# Altium PCB Inverter_540VDC_V2.1.PcbDoc (part 2 of 2)
Units mm, origin at the board's own origin, x right, y up, seen from the top; angles counter-clockwise.
Board outline 120 x 74.98 mm, 2 copper layers (Top Layer, Bottom Layer), stack 2.071 mm thick; 237 components, 120 nets, 558 pads, 101 vias.
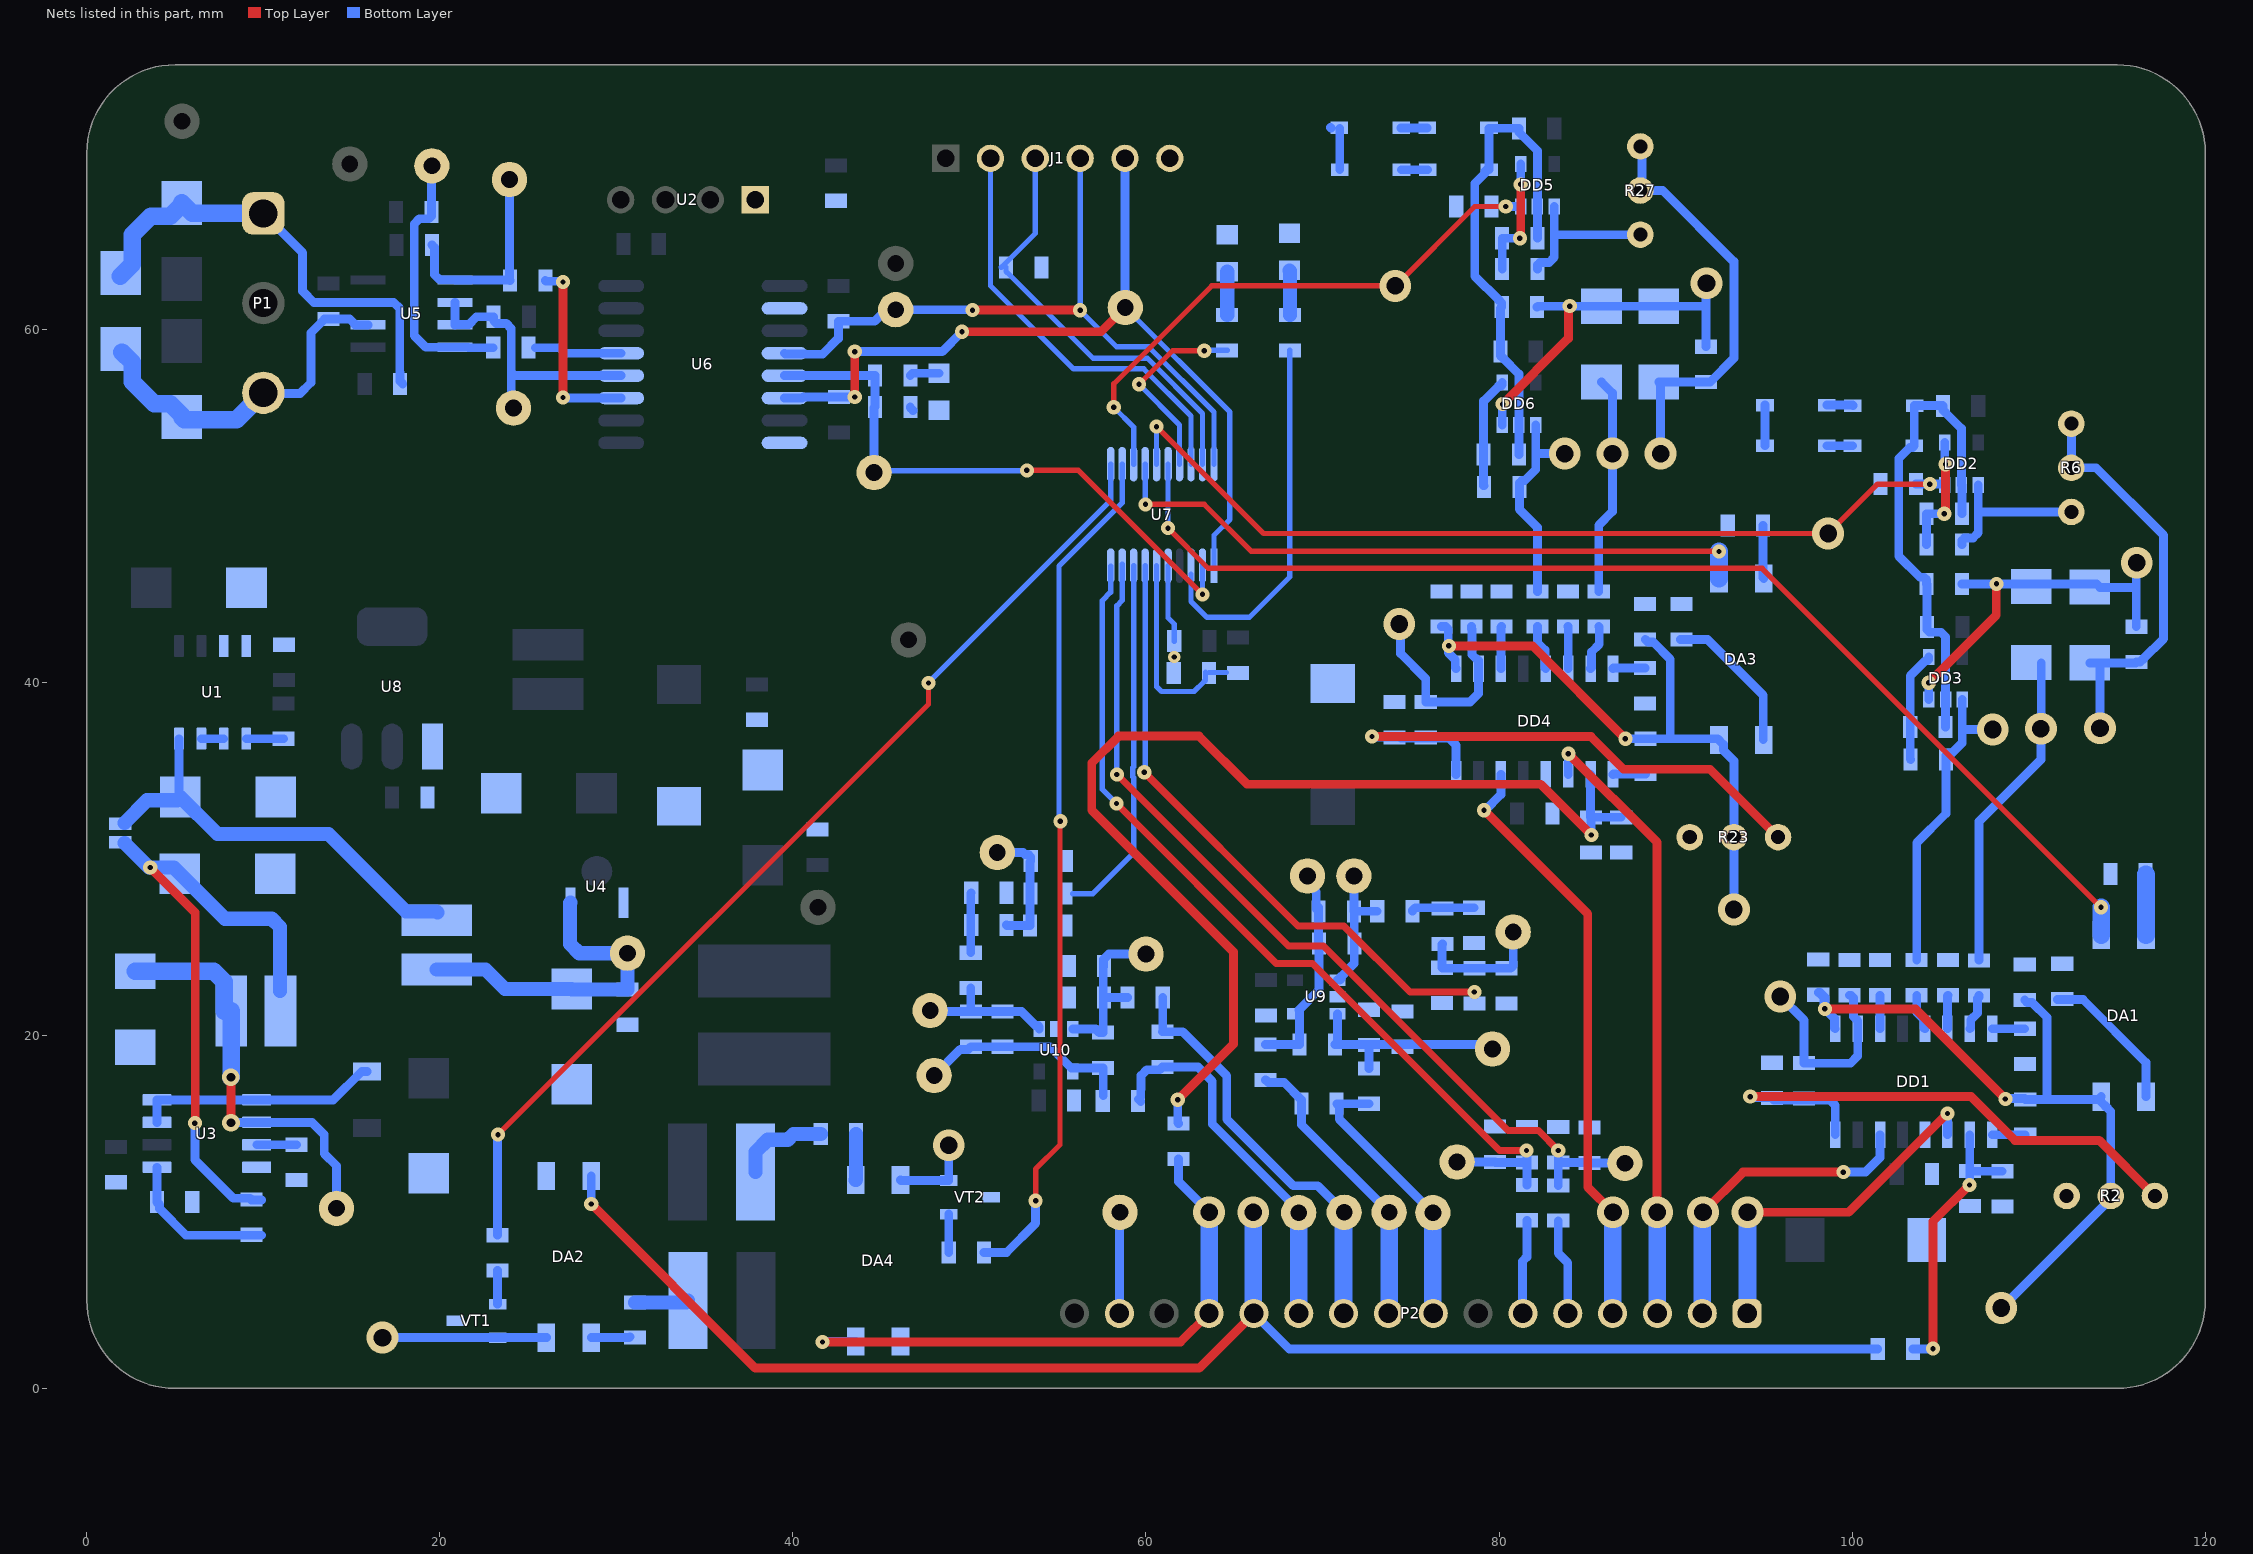
[diagram p2: the nets of this part, all layers, seen from the top]

## Via types
v1: diameter 0.8, hole 0.3, Top Layer to Bottom Layer, 73 vias
v2: diameter 1.8, hole 1, Top Layer to Bottom Layer, 22 vias
v3: diameter 0.7, hole 0.3, Top Layer to Bottom Layer, 4 vias
v4: diameter 1, hole 0.5, Top Layer to Bottom Layer, 2 vias

## Nets (pads, with @x,y where several pads share a name; then routed paths per layer and width w, separated by ;. In a path a pad name is that pad's centre, name@x,y a point inside that pad or via, vN(x,y) a via of type N, cw(c..) or ccw(c..) an arc to the next point about the centre after c; other vN are vias at no path point) (continued)
GND_III: C1.2 C2.2 C3.2 C6.2 C7.1 C9.2 C10.1 C11.2 C12.2 C13.2 C16.2 C17.1 C19.2 C20.1 C21.2 C22.1 C24.2 C25.2 C26.2 C27.2 C28.2 C29.1 C30.2 C31.2 C32.1 C33.2 C34.1 C35.1 C36.1 C37.1 C38.1 C41.1 C42.1 C43.1 C45.1 C48.1 C49.1 C50.1 C51.1 C52.1 C54.2 C55.1 D2.2 D3.2 D4.2 DA2.3 DA4.3 DD1.12 DD4.12 J1.6 P2.15 R1.1 R2.1 R3.1 R7.2 R9.1 R12.2 R16.2 R18.1 R22.1 R23.1 R24.1 R28.2 R30.1 R33.2 R37.2 R39.1 R55.1 R57.1 R61.2 R67.2 R68.1 R76.2 R81.1 R82.1 R83.1 TP3.1 U1.3 U1.4 U2.1 U3.4 U4.1 U6.2 U6.8 U7.5 U8.1 U9.2 U10.2 VD5.1 VD6.2 VD11.1 VD12.2 VD13.2 VT1.3 VT2.3 | length 15.4
  Bottom Layer w0.3: U7.5@61.25,46.625 61.25,43.675 61.6,43.325 C32.1@61.6,42.35
  Bottom Layer w0.5: R55.1@46.65,55.625 46.65,55.575 R55.1@46.8,55.425 ; P2.15@58.49,4.27 58.49,9.84 TP3.1@58.8,10.15 ; VD12.2@70.45,71.45 VD12.2@70.475,71.425 ; VD11.1@70.975,69.05 VD12.2@70.975,71.4 ; VD6.2@95.064,53.419 VD5.1@95.064,55.719
  other v3: 61.6,41.45
NetC2_1: C2.1 C6.1 DA1.4 DD1.1 R2.2 R20.2 TP1.1 | length 42.2
  Top Layer w0.5: v1(98.454,21.521) 103.579,21.521 v1(108.679,16.421)
  Bottom Layer w0.5: C6.1@98.096,22.454 98.171,22.454 98.454,22.171 v1(98.454,21.521) ; C6.1@98.114,22.454 98.396,22.171 98.396,21.579 v1(98.454,21.521) ; DD1.1@99.044,20.396 98.994,20.446 98.994,20.981 v1(98.454,21.521) ; v2(108.45,4.575) 114.65,10.775 R2.2@114.65,10.925 114.65,15.707 114.357,16 114.355,16 114.105,16.25 DA1.4@114.105,16.27 ; v1(108.679,16.421) 108.704,16.446 109.754,16.446 R20.2@109.804,16.396 111.043,16.396 ; C2.1@109.775,22.025 109.925,21.875 110.2,21.875 111.043,21.032 111.043,16.396 ; DA1.4@114.105,16.55 113.951,16.396 111.043,16.396
NetC3_1: C3.1 DD1.16 R2.3 R8.1 | length 32
  Top Layer w0.5: v1(94.225,16.55) 106.75,16.55 109.225,14.075 114,14.075 R2.3@117.15,10.925
  Bottom Layer w0.5: v1(94.225,16.55) 94.264,16.511 95.336,16.511 95.375,16.55 C3.1@95.454,16.471 95.579,16.346 98.751,16.346 99.044,16.054 DD1.16@99.044,14.396
NetC4_1: C4.1 C5.1 C8.2 DD2.2 DD3.2 R13.2 R21.2 VD3.2 VD4.1 | length 28.6
  Bottom Layer w0.5: C8.2@104.214,45.594 104.214,45.819 104.064,45.969 103.839,45.969 102.639,47.169 102.639,52.694 103.264,53.319 103.414,53.319 VD4.1@103.514,53.419 103.514,55.669 VD3.2@103.539,55.694 105.114,55.694 C4.1@105.139,55.669 C4.1@105.139,55.444 ; C8.2@104.239,45.578 C5.1@104.239,43.144 104.239,43.001 104.389,42.851 105.032,42.851 105.289,42.594 DD3.2@105.289,39.044 R21.2@105.289,37.494 ; C4.1@105.289,55.294 C4.1@105.139,55.444 ; R13.2@106.214,49.569 106.214,51.169 DD2.2@106.189,51.194 106.189,54.394 C4.1@105.139,55.444
NetC8_1: C8.1 DD3.3 R10.2 TP9.1 VD1.2 VD2.2 | length 22.1
  Top Layer w0.5: v1(104.339,39.994) 108.164,43.819 108.164,45.582 v1(108.177,45.594)
  Bottom Layer w0.5: DD3.3@104.339,39.044 v1(104.339,39.994) ; C8.1@106.214,45.594 v1(108.177,45.594) 113.839,45.594 114.039,45.394 116.095,45.394 ; TP9.1@115.991,46.671 TP9.1@116.24,46.92 ; R10.2@116.095,43.169 116.095,45.394 ; v2(116.116,46.795) 116.116,46.122 116.095,46.101 116.095,45.394
NetC9_1: C9.1 DD1.8 | length 1.8
  Bottom Layer w0.5: DD1.8@107.934,20.396 C9.1@109.778,20.396
NetC10_2: C10.2 DD1.10 R15.1 R18.2 | length 15.9
  Top Layer w0.5: v1(104.575,2.275) 104.575,9.475 v1(106.65,11.55)
  Bottom Layer w0.5: R15.1@103.45,2.25 104.325,2.25 104.35,2.275 v1(104.575,2.275) ; v1(106.65,11.55) 106.664,11.564 C10.2@106.664,12.361 ; C10.2@106.664,12.362 DD1.10@106.664,14.396 ; C10.2@106.704,12.321 R18.2@108.504,12.321
NetC12_1: C12.1 C16.1 DA3.4 DD4.1 R23.2 R41.2 TP12.1 | length 36.7
  Top Layer w0.5: v1(77.154,42.085) 81.89,42.085 v1(87.15,36.825)
  Bottom Layer w0.5: C16.1@76.745,43.172 76.97,43.172 77.12,43.022 77.12,41.697 77.515,41.302 77.515,40.85 DD4.1@77.565,40.8 ; v1(87.15,36.825) 87.153,36.822 R41.2@88.295,36.822 89.7,36.822 ; C12.1@88.275,42.45 88.425,42.3 88.725,42.3 89.7,41.325 89.7,36.822 ; v2(93.3,27.15) R23.2@93.3,31.25 93.3,35.575 92.705,36.17 92.705,36.5 92.383,36.822 89.7,36.822
NetC13_1: C13.1 DD4.16 R23.3 R29.1 | length 32
  Top Layer w0.5: v1(72.8,36.95) 85.2,36.95 87.05,35.1 91.95,35.1 R23.3@95.8,31.25
  Bottom Layer w0.5: v1(72.8,36.95) 72.826,36.924 74.384,36.924 74.436,36.872 75.845,36.872 77.145,36.872 77.565,36.452 DD4.16@77.565,34.8
NetC14_1: C14.1 C15.1 C18.2 DD5.2 DD6.2 R34.2 R42.2 VD9.2 VD10.1 | length 28.3
  Bottom Layer w0.5: R42.2@81.125,52.925 DD6.2@81.125,54.6 81.125,57.475 80.225,58.375 80.075,58.525 C15.1@80.075,58.75 80.075,61.2 C18.2@80.15,61.275 80.15,61.5 80,61.65 78.625,63.025 78.625,68.275 79.2,68.85 79.2,68.95 79.325,69.075 79.425,69.075 79.425,71.4 C14.1@81.125,71.4 81.125,71.175 82.175,70.125 DD5.2@82.175,66.975 R34.2@82.175,65.175
NetC18_1: C18.1 DD6.3 R31.2 TP20.1 VD7.2 VD8.2 | length 21.6
  Top Layer w0.5: v1(80.2,55.775) 83.925,59.5 83.925,61.25 v1(84,61.325)
  Bottom Layer w0.5: DD6.3@80.175,54.6 80.175,55.65 80.2,55.675 v1(80.2,55.775) ; C18.1@82.15,61.275 82.2,61.325 v1(84,61.325) 91.625,61.325 91.725,61.225 ; R31.2@91.725,59.025 91.725,62.6 v2(91.75,62.625)
NetC19_1: C19.1 DD4.8 | length 1.8
  Bottom Layer w0.5: DD4.8@86.455,40.8 86.477,40.822 C19.1@88.27,40.822
NetC20_2: C20.2 DD4.10 R36.1 R39.2 | length 61.5
  Top Layer w0.5: v1(61.8,16.375) 64.95,19.525 64.95,24.75 56.925,32.775 56.925,35.45 58.45,36.975 63,36.975 65.725,34.25 82.35,34.25 v1(85.225,31.375)
  Bottom Layer w0.5: v1(61.8,16.375) 61.8,15.075 R36.1@61.85,15.025 ; DD4.10@85.185,34.8 85.185,32.382 C20.2@85.195,32.372 ; v1(85.225,31.375) 85.21,31.39 85.21,32.357 C20.2@85.195,32.372 ; R39.2@86.92,32.372 C20.2@85.195,32.372
NetC25_1: C25.1 U3.3 | length 2.2
  Bottom Layer w0.5: U3.3@9.625,13.825 C25.1@11.875,13.825
NetC26_1: C26.1 JE1.1 L4.1 U1.8 | length 24.4
  Bottom Layer w0.5: U1.8@5.225,36.825 5.225,33.6 C26.1@5.3,33.525
  Bottom Layer w0.8: JE1.1@2.135,32.058 3.419,33.342 5.117,33.342 C26.1@5.3,33.525 7.4,31.425 13.7,31.425 18.078,27.047 19.807,27.047 L4.1@19.879,26.975
NetC27_1: C27.1 C29.2 L4.2 TP25.1 U4.3 | length 19.1
  Bottom Layer w0.8: L4.2@19.825,23.753 22.597,23.753 23.7,22.65 C27.1@27.475,22.65 ; U4.3@27.4,27.544 27.375,27.519 27.375,25.2 27.9,24.675 TP25.1@30.625,24.675 C29.2@30.625,22.625 C27.1@27.475,22.625
NetC28_1: C28.1 JE1.2 L3.2 R52.1 | length 36.7
  Top Layer w0.5: v1(3.6,29.525) 6.15,26.975 6.15,15.075 v1(6.125,15.05)
  Bottom Layer w0.5: v1(6.125,15.05) 6.125,12.975 8.307,10.793 9.257,10.793 R52.1@9.325,10.725 ; R52.1@9.325,10.7 R52.1@9.9,10.7
  Bottom Layer w0.8: JE1.2@2.135,30.917 3.526,29.525 v1(3.6,29.525) 4.925,29.525 C28.1@5.275,29.175 7.825,26.625 10.481,26.625 10.95,26.156 L3.2@10.95,22.533
NetC34_2: C34.2 R58.2 U7.6 | length 11.4
  Bottom Layer w0.3: U7.6@60.6,46.625 60.6,39.775 60.875,39.5 62.725,39.5 63.3,40.075 63.325,40.075 63.375,40.125 C34.2@63.375,40.6 ; C34.2@63.575,40.575 64.55,40.575
NetC39_1: C39.1 C44.1 R66.2 R69.1 TP42.1 U9.4 | length 12.5
  Bottom Layer w0.5: R66.2@66.775,19.5 C39.1@68.7,19.5 68.7,21.4 68.65,21.45 69.8,22.6 R69.1@69.8,25.225 69.775,25.25 C44.1@69.775,27.275 ; TP42.1@69.15,29.05 69.15,28.644 69.647,28.147 69.647,27.178 C44.1@69.775,27.05
NetC39_2: C39.2 C43.2 R60.2 R68.2 TP37.1 U9.3 | length 12.2
  Bottom Layer w0.5: U9.3@70.85,21.25 70.85,19.65 C39.2@70.7,19.5 79.375,19.5 TP37.1@79.625,19.25 ; R60.2@72.625,18.15 C43.2@72.625,19.475
NetC40_1: C40.1 P2.9 R66.1 TP41.1 | length 16.7
  Bottom Layer w0.5: R66.1@66.775,17.5 66.925,17.35 67.825,17.35 68.8,16.375 68.8,14.975 TP41.1@73.775,10 ; P2.9@73.73,4.27 P2.9@73.775,4.315
  Bottom Layer w1: P2.9@73.775,4.315 TP41.1@73.775,10
NetC40_2: C40.2 P2.8 R60.1 TP36.1 | length 16
  Bottom Layer w0.5: R60.1@72.625,16.15 C40.2@70.8,16.15 70.95,16 70.95,15.275 TP36.1@76.25,9.975 ; P2.8@76.25,4.29 P2.8@76.27,4.27
  Bottom Layer w1: P2.8@76.25,4.29 TP36.1@76.25,9.975
NetC41_2: C41.2 R62.1 R63.2 | length 3.6
  Bottom Layer w0.5: R62.1@75.1,27.05 75.1,27.1 75.25,27.25 C41.2@78.575,27.25
NetC42_2: C42.2 R63.1 R64.2 R67.1 TP38.1 | length 7.4
  Bottom Layer w0.5: R63.1@76.8,25.2 76.775,25.175 R67.1@76.775,23.85 76.8,23.825 R64.2@78.6,23.825 C42.2@80.425,23.825 80.65,23.825 80.8,23.975 TP38.1@80.8,25.875
NetC44_2: C44.2 R62.2 R69.2 TP39.1 U9.1 | length 7.7
  Bottom Layer w0.5: U9.1@70.85,23.15 70.975,23.15 71.05,23.225 71.05,23.35 71.8,24.1 R69.2@71.8,25.225 71.8,27.025 C44.2@71.775,27.05 ; TP39.1@71.775,29.05 C44.2@71.775,27.05 ; R62.2@73.1,27.05 C44.2@71.775,27.05
NetC46_1: C46.1 C53.1 R75.2 R84.1 TP51.1 U10.4 | length 12.3
  Bottom Layer w0.5: TP51.1@48,17.75 49.475,19.225 49.925,19.225 C53.1@50.075,19.375 R84.1@51.875,19.375 54.575,19.375 55.775,18.175 C46.1@57.575,18.175 R75.2@57.575,16.6
NetC46_2: C46.2 C51.2 R71.2 R81.2 TP45.1 U10.3 | length 9.9
  Bottom Layer w0.5: U10.3@55.85,20.375 57.15,20.375 57.35,20.175 C46.2@57.575,20.175 C51.2@57.575,22.175 ; R71.2@58.95,22.175 C51.2@57.575,22.175 ; TP45.1@60,24.625 57.9,24.625 57.6,24.325 57.6,23.925 57.575,23.9 C51.2@57.575,22.175
NetC47_1: C47.1 P2.11 R75.1 TP50.1 | length 21.3
  Bottom Layer w0.5: R75.1@59.7,16.275 59.575,16.4 59.7,16.525 59.7,16.943 59.725,16.968 59.725,17.75 60.05,18.075 60.775,18.075 C47.1@60.925,18.225 62.95,18.225 63.75,17.425 63.75,15 TP50.1@68.65,10.1
  Bottom Layer w1: P2.11@68.65,4.27 TP50.1@68.65,10.1
NetC47_2: C47.2 P2.10 R71.1 TP44.1 | length 23.6
  Bottom Layer w0.5: R71.1@60.95,22.175 60.95,20.25 C47.2@60.925,20.225 62.075,20.225 64.575,17.725 64.575,15.275 68.35,11.5 69.725,11.5 TP44.1@71.225,10
  Bottom Layer w1: P2.10@71.19,4.27 TP44.1@71.19,9.965
NetC48_2: C48.2 R72.1 R73.2 | length 3.4
  Bottom Layer w0.5: R72.1@50.075,24.7 50.075,28.075 C48.2@50.1,28.1
NetC49_2: C49.2 R73.1 R74.2 R76.1 TP47.1 | length 7.2
  Bottom Layer w0.5: TP47.1@51.575,30.375 53.032,30.375 53.132,30.275 53.325,30.275 53.475,30.125 C49.2@53.475,29.9 53.425,29.85 53.425,28.05 R76.1@53.425,26.25 52.125,26.25 R73.1@52.1,26.275
NetC50_2: C50.2 R77.2 R82.2 TP46.1 U7.10 | length 51.5
  Top Layer w0.4: v1(58.325,33.15) 67.375,24.1 69.425,24.1 80.025,13.5 v1(81.55,13.5)
  Bottom Layer w0.3: U7.10@58,46.589 58,45.125 57.525,44.65 57.525,33.95 v1(58.325,33.15)
  Bottom Layer w0.5: TP46.1@77.4,12.85 C50.2@79.775,12.85 79.8,12.825 R82.2@81.575,12.825 ; v1(81.55,13.5) 81.575,13.475 R82.2@81.575,12.825 ; R77.2@81.575,11.55 R82.2@81.575,12.825
NetC52_2: C52.2 R70.2 R83.2 TP43.1 U7.9 | length 51.8
  Top Layer w0.4: v1(58.35,34.8) 68.075,25.075 70.05,25.075 80.5,14.625 82.225,14.625 v1(83.35,13.5)
  Bottom Layer w0.3: v1(58.35,34.8) 58.35,44.35 58.65,44.65 U7.9@58.65,46.705
  Bottom Layer w0.5: R70.2@83.35,11.525 C52.2@83.35,12.825 ; v1(83.35,13.5) C52.2@83.35,12.825 ; TP43.1@87.325,12.8 R83.2@85.125,12.8 85.1,12.825 C52.2@83.35,12.825
NetC53_2: C53.2 R72.2 R84.2 TP48.1 U10.1 | length 8.1
  Bottom Layer w0.5: TP48.1@47.925,20.825 47.925,20.832 48.468,21.375 C53.2@50.075,21.375 ; R72.2@50.075,22.7 C53.2@50.075,21.375 ; U10.1@53.95,20.375 53.95,20.5 53.875,20.575 53.75,20.575 52.955,21.37 51.881,21.37 R84.2@51.875,21.375 C53.2@50.075,21.375
NetD2_1: D2.1 R54.1 | length 1.7
  Bottom Layer w0.5: R54.1@46.65,57.4 46.775,57.525 D2.1@48.275,57.525
NetD3_1: D3.1 R59.2 | length 2.5
  Bottom Layer w0.8: R59.2@64.6,60.825 D3.1@64.6,63.275
NetD4_1: D4.1 R65.2 | length 2.5
  Bottom Layer w0.8: D4.1@68.125,63.35 68.15,63.325 R65.2@68.15,60.825
NetDA1_2: DA1.2 R1.2 | length 3.5
  Bottom Layer w1: R1.2@116.625,29.15 116.645,29.13 DA1.2@116.645,25.7
NetDA1_3: DA1.3 R3.2 | length 8.4
  Bottom Layer w0.5: R3.2@111.625,22.05 113.075,22.05 116.645,18.48 DA1.3@116.645,16.55
NetDA2_1: DA2.1 R4.1 | length 2.2
  Bottom Layer w0.5: DA2.1@28.575,2.9 30.725,2.9 R4.1@30.775,2.95
NetDA2_2: DA2.2 TP2.1 VT1.2 | length 9.3
  Bottom Layer w0.5: v2(16.75,2.9) VT1.2@23.275,2.9 DA2.2@26.035,2.9
NetDA3_2: DA3.2 R22.2 | length 3
  Bottom Layer w0.5: R22.2@94.95,48.9 94.95,45.945 DA3.2@94.995,45.9
NetDA3_3: DA3.3 R24.2 | length 8.5
  Bottom Layer w0.5: R24.2@90.275,42.45 91.8,42.45 94.968,39.282 DA3.3@94.968,36.777
NetDA4_1: DA4.1 R25.1 | length 2.6
  Bottom Layer w0.8: DA4.1@43.555,11.825 43.575,11.845 R25.1@43.575,14.425
NetDA4_2: DA4.2 TP13.1 VT2.2 | length 4.7
  Bottom Layer w0.5: DA4.2@46.095,11.825 46.12,11.8 VT2.2@48.825,11.8 v2(48.825,13.8)
NetDD1_2: DD1.2 R7.1 R8.2 TP8.1 | length 11.2
  Bottom Layer w0.5: v2(95.929,22.221) 97.279,20.871 R8.2@97.279,18.446 99.904,18.446 100.314,18.856 DD1.2@100.314,20.396 100.314,20.846 100.079,21.081 100.079,22.146 99.929,22.296 R7.1@99.854,22.296
NetDD1_3: DD1.3 R12.1 | length 1.9
  Bottom Layer w0.5: R12.1@101.579,22.296 101.579,20.401 DD1.3@101.584,20.396
NetDD1_5: DD1.5 R14.1 | length 2.1
  Bottom Layer w0.5: R14.1@103.654,22.296 103.654,21.316 104.074,20.896 104.074,20.446 DD1.5@104.124,20.396
NetDD1_6: DD1.6 R16.1 | length 1.9
  Bottom Layer w0.5: DD1.6@105.394,20.396 105.394,22.261 R16.1@105.429,22.296
NetDD1_7: DD1.7 R17.1 | length 2.1
  Bottom Layer w0.5: DD1.7@106.664,20.396 106.714,20.446 106.714,20.896 107.104,21.287 107.104,22.121 107.179,22.196 R17.1@107.179,22.271
NetDD1_9: DD1.9 R20.1 | length 1.9
  Bottom Layer w0.5: DD1.9@107.934,14.396 R20.1@109.804,14.396
NetDD2_1: DD2.1 R6.1 R11.1 | length 9.4
  Bottom Layer w0.5: R11.1@106.214,47.819 106.214,48.044 106.364,48.194 106.847,48.194 107.139,48.487 107.139,49.582 ; DD2.1@107.139,51.194 107.139,49.582 ; R6.1@112.414,49.669 107.227,49.669 107.139,49.582
NetDD2_4: DD2.4 R11.2 R13.1 | length 6.8
  Top Layer w0.5: v1(105.214,49.569) 105.214,49.744 105.289,49.819 v1(105.289,52.369)
  Bottom Layer w0.5: R11.2@104.214,47.819 R13.1@104.214,49.569 ; R13.1@104.214,49.569 v1(105.214,49.569) ; DD2.4@105.239,53.594 105.239,52.419 v1(105.289,52.369)
NetDD3_1: DD3.1 R14.2 R19.1 TP6.1 | length 17.7
  Bottom Layer w0.5: R14.2@103.654,24.296 103.654,30.929 105.314,32.589 105.314,35.869 105.464,36.019 105.67,36.019 106.239,36.588 ; 106.239,36.588 106.239,37.289 ; DD3.1@106.239,39.044 106.239,37.289 ; v2(107.964,37.344) 106.294,37.344 106.239,37.289
NetDD3_4: DD3.4 R19.2 R21.1 | length 6.3
  Bottom Layer w0.5: R19.2@103.314,35.644 103.289,35.669 R21.1@103.289,37.494 103.289,40.394 104.139,41.244 104.264,41.244 104.339,41.319 DD3.4@104.339,41.444
NetDD4_2: DD4.2 R28.1 R29.2 TP19.1 | length 12.3
  Bottom Layer w0.5: TP19.1@74.27,43.397 74.425,43.242 74.425,41.65 75.845,40.23 R29.2@75.845,38.897 78.347,38.897 78.825,39.375 78.825,40.79 DD4.2@78.835,40.8 78.835,41.25 78.785,41.3 78.753,41.3 78.46,41.593 78.46,43.022 78.445,43.037 R28.1@78.445,43.172
  other v2: 74.343,43.324
NetDD4_3: DD4.3 R33.1 | length 2.4
  Bottom Layer w0.5: DD4.3@80.105,40.8 80.105,43.132 R33.1@80.145,43.172
NetDD4_5: DD4.5 R35.1 | length 2.6
  Bottom Layer w0.5: R35.1@82.17,43.172 82.17,42.272 82.595,41.847 82.595,40.85 DD4.5@82.645,40.8
NetDD4_6: DD4.6 R37.1 | length 2.4
  Bottom Layer w0.5: R37.1@83.895,43.172 83.915,43.152 DD4.6@83.915,40.8
NetDD4_7: DD4.7 R38.1 | length 2.6
  Bottom Layer w0.5: DD4.7@85.185,40.8 85.235,40.85 85.235,41.737 85.67,42.172 85.67,43.147 R38.1@85.645,43.172
NetDD4_9: DD4.9 R41.1 | length 1.8
  Bottom Layer w0.5: DD4.9@86.455,34.8 86.477,34.822 R41.1@88.295,34.822
NetDD5_1: DD5.1 R27.1 R32.1 | length 9.2
  Bottom Layer w0.5: R32.1@82.175,63.425 82.175,63.65 82.325,63.8 82.832,63.8 83.125,64.093 83.125,65.254 ; DD5.1@83.125,66.975 83.125,65.254 ; R27.1@88,65.375 83.246,65.375 83.125,65.254
NetDD5_4: DD5.4 R32.2 R34.1 | length 7
  Top Layer w0.5: v1(81.175,65.175) 81.225,65.225 v1(81.225,68.225)
  Bottom Layer w0.5: R32.2@80.175,63.425 R34.1@80.175,65.174 v1(81.175,65.175) ; v1(81.225,68.225) DD5.4@81.225,69.375
NetDD6_1: DD6.1 R35.2 R40.1 TP17.1 | length 12
  Bottom Layer w0.5: DD6.1@82.075,54.6 82.075,53.036 ; R35.2@82.17,45.172 82.17,48.805 81.15,49.825 81.15,51.3 81.3,51.45 81.45,51.45 82.075,52.075 82.075,53.036 ; v2(83.725,52.975) 82.136,52.975 82.075,53.036
NetDD6_4: DD6.4 R40.2 R42.1 | length 6.4
  Bottom Layer w0.5: R40.2@79.15,51.15 79.125,51.175 R42.1@79.125,52.925 79.125,55.95 79.975,56.8 80.1,56.8 80.175,56.875 DD6.4@80.175,57
NetJ1_2: J1.2 U7.18 | length 24.4
  Bottom Layer w0.3: J1.2@51.19,69.7 51.19,62.485 55.9,57.775 59.875,57.775 62.55,55.1 U7.18@62.55,52.375
NetJ1_3: J1.3 R61.1 U7.19 | length 24.5
  Bottom Layer w0.3: R61.1@51.8,63.525 53.73,65.455 J1.3@53.73,69.7 ; R61.1@52.075,63.525 52.075,63.3 52.325,63.05 57,58.375 60.075,58.375 63.2,55.25 U7.19@63.2,52.375
NetJ1_4: J1.4 R48.1 TP28.1 U6.4 U7.20 | length 39.9
  Top Layer w0.5: v1(50.175,61.1) 56.265,61.1 v1(56.27,61.095)
  Bottom Layer w0.3: J1.4@56.27,69.7 v1(56.27,61.095) 58.34,59.025 60.15,59.025 63.85,55.325 U7.20@63.85,52.375
  Bottom Layer w0.5: U6.4@39.525,58.66 39.563,58.622 40.655,58.622 40.676,58.6 41.675,58.6 42.575,59.5 R48.1@42.575,60.475 44.634,60.475 45.284,61.125 TP28.1@45.825,61.125 50.15,61.125 v1(50.175,61.1)
NetJ1_5: J1.5 R45.1 TP31.1 U6.6 U7.1 | length 48.8
  Top Layer w0.5: v1(43.5,56.175) v1(43.5,58.75) ; v1(49.575,59.875) 57.45,59.875 58.813,61.238 TP31.1@58.825,61.25
  Bottom Layer w0.3: TP31.1@58.825,61.25 64.75,55.325 64.75,49.25 63.85,48.35 U7.1@63.85,46.625
  Bottom Layer w0.5: U6.6@39.525,56.12 40.529,56.12 40.584,56.175 R45.1@42.6,56.175 v1(43.5,56.175) ; v1(43.5,58.75) 48.45,58.75 v1(49.575,59.875) ; TP31.1@58.81,61.25 J1.5@58.81,69.7
NetL1_1: L1.1 R4.2 | length 3
  Bottom Layer w0.8: R4.2@31.05,4.9 33.95,4.9 L1.1@34.05,5
NetL2_1: L2.1 R25.2 | length 5.3
  Bottom Layer w0.8: L2.1@37.875,12.275 37.875,13.406 38.575,14.106 39.706,14.106 40.025,14.425 R25.2@41.575,14.425
NetL3_1: L3.1 TP24.1 U3.2 VD13.1 | length 23.3
  Top Layer w0.5: v4(8.166,17.65) 8.175,17.641 v4(8.175,15.075)
  Bottom Layer w0.5: v4(8.175,15.075) 8.195,15.095 U3.2@9.625,15.095 12.755,15.095 13.45,14.4 13.45,13.325 14.15,12.625 TP24.1@14.15,10.225
  Bottom Layer w1: VD13.1@2.75,23.65 7.2,23.65 7.786,23.064 L3.1@7.786,21.4 ; v4(8.166,17.65) 8.186,17.671 L3.1@8.186,21.4
NetP1_1: P1.1 R56.2 U5.7 ZD1.1 ZD3.2 | length 26.7
  Bottom Layer w0.5: P1.1@10,66.58 12.225,64.355 12.225,62.175 12.865,61.535 U5.7@15.935,61.535 17.39,61.535 17.725,61.2 17.725,57.593 17.75,57.568 17.75,57.075 R56.2@17.9,56.925
  Bottom Layer w1: ZD1.1@1.9,63.025 2.575,63.7 2.575,65.364 3.636,66.425 4.725,66.425 5.375,67.075 ZD3.2@5.375,67.175 5.97,66.58 P1.1@10,66.58
NetP1_3: P1.3 R44.1 U5.6 ZD1.2 ZD2.2 | length 20.5
  Bottom Layer w0.5: P1.3@10,56.42 10.045,56.375 12.075,56.375 12.7,57 12.7,59.825 13.475,60.6 14.902,60.6 15.195,60.307 15.195,60.28 15.21,60.265 U5.6@15.935,60.265
  Bottom Layer w1: ZD1.2@1.975,58.725 2,58.725 2.575,58.15 2.575,57.05 3.825,55.8 4.725,55.8 5.375,55.15 ZD2.2@5.375,55.05 5.525,54.9 8.48,54.9 P1.3@10,56.42
NetP2_5: P2.5 R70.1 | length 5.5
  Bottom Layer w0.5: R70.1@83.35,9.525 83.35,7.675 83.89,7.135 P2.5@83.89,4.27
NetP2_6: P2.6 R77.1 | length 5.4
  Bottom Layer w0.5: P2.6@81.35,4.27 81.325,4.295 81.325,7.225 81.575,7.475 R77.1@81.575,9.55
NetR5_2: R5.2 VT1.1 | length 1.9
  Bottom Layer w0.5: VT1.1@23.275,4.8 R5.2@23.275,6.7
NetR6_2: R6.2 R6.3 R10.1 TP5.1 VD1.1 | length 23.6
  Bottom Layer w0.5: R6.3@112.414,54.669 R6.2@112.414,52.169 113.814,52.169 117.639,48.344 117.639,42.494 116.47,41.324 116.47,41.319 116.32,41.169 R10.1@116.095,41.169 116.045,41.119 114.039,41.119 VD1.1@113.464,41.119 ; v2(114.039,37.419) VD1.1@114.039,41.094
NetR17_2: R17.2 TP11.1 VD2.1 | length 18.3
  Bottom Layer w0.5: R17.2@107.179,24.271 107.179,32.129 110.689,35.639 v2(110.689,37.394) 110.714,37.419 VD2.1@110.714,41.119
NetR26_2: R26.2 VT2.1 | length 2.2
  Bottom Layer w0.5: R26.2@48.825,7.725 VT2.1@48.825,9.9
NetR27_2: R27.2 R27.3 R31.1 TP16.1 VD7.1 | length 23.8
  Bottom Layer w0.5: R27.2@88,67.875 89.275,67.875 93.3,63.85 93.3,58.375 91.95,57.025 R31.1@91.725,57.025 VD7.1@89.05,57.025 89.15,56.925 v2(89.15,52.975) ; R27.2@88.1,68.1 R27.3@88.1,70.6
NetR38_2: R38.2 TP22.1 VD8.1 | length 12.4
  Bottom Layer w0.5: R38.2@85.645,45.172 85.645,48.92 86.425,49.7 v2(86.425,52.975) 86.425,56.4 VD8.1@85.8,57.025
NetR43_2: R43.2 U1.5 | length 2.1
  Bottom Layer w0.5: U1.5@9.035,36.825 R43.2@11.15,36.825
NetR46_1: R46.1 R50.1 TP26.1 U5.4 | length 15.1
  Bottom Layer w0.5: TP26.1@19.55,69.275 19.525,69.25 19.525,66.425 19.375,66.275 18.843,66.275 18.55,65.982 18.55,59.65 19.205,58.995 21.59,58.995 21.61,58.975 R50.1@23.025,58.975
NetR47_1: R47.1 R51.1 TP32.1 U5.1 | length 11.9
  Bottom Layer w0.5: R47.1@19.55,64.8 19.7,64.65 19.7,63.113 19.993,62.82 20.85,62.82 U5.1@20.865,62.805 23.945,62.805 R51.1@23.95,62.8 ; TP32.1@23.95,68.5 R51.1@23.95,62.8 ; R51.1@23.975,62.775 R51.1@23.95,62.8
NetR49_2: R49.2 U3.1 U3.7 U3.8 | length 13.8
  Bottom Layer w0.5: U3.7@3.975,15.095 U3.8@3.975,16.365 U3.1@9.625,16.365 13.965,16.365 15.575,17.975 R49.2@15.875,17.975
NetR50_2: R50.2 U6.13 | length 5
  Bottom Layer w0.5: 25.425,58.975 26.778,58.975 27.093,58.66 U6.13@30.275,58.66
NetR51_2: R51.2 U6.11 | length 10.9
  Top Layer w0.5: v1(26.975,56.15) v1(26.975,62.7)
  Bottom Layer w0.5: R51.2@25.975,62.775 26.012,62.737 26.938,62.737 v1(26.975,62.7) ; v1(26.975,56.15) 27.005,56.12 U6.11@30.275,56.12
NetR52_2: R52.2 R57.2 U3.5 | length 8.8
  Bottom Layer w0.5: U3.5@3.975,12.555 R57.2@3.975,10.575 4.125,10.425 4.125,10.2 5.625,8.7 R52.2@9.9,8.7
NetR53_2: R53.2 TP30.1 U5.2 U5.3 U6.12 | length 15.9
  Bottom Layer w0.5: U5.2@20.865,61.535 U5.3@20.865,60.265 20.88,60.28 21.63,60.28 22.075,60.725 R53.2@23.05,60.725 23.05,60.5 23.2,60.35 23.757,60.35 24.05,60.057 24.05,57.58 ; TP30.1@24.175,55.55 24.05,55.675 24.05,57.39 24.05,57.58 ; U6.12@30.275,57.39 24.24,57.39 24.05,57.58
NetR54_2: R54.2 R55.2 TP27.1 U6.5 U7.2 | length 33.8
  Top Layer w0.3: v1(53.25,52.025) 56.175,52.025 v1(63.2,45)
  Bottom Layer w0.3: TP27.1@44.6,51.9 44.7,52 53.225,52 v1(53.25,52.025) ; v1(63.2,45) U7.2@63.2,46.625
  Bottom Layer w0.5: U6.5@39.525,57.39 44.64,57.39 R54.2@44.65,57.4 R55.2@44.65,55.625 44.6,55.575 TP27.1@44.6,51.9
NetR59_1: R59.1 U7.17 | length 11.3
  Top Layer w0.3: v1(59.6,56.9) 61.5,58.8 v1(63.3,58.8)
  Bottom Layer w0.3: v1(59.6,56.9) 61.9,54.6 U7.17@61.9,52.375 ; v1@63.3,58.825 R59.1@64.6,58.825
NetR64_1: R64.1 U7.7 | length 35.6
  Top Layer w0.4: v1(59.9,34.925) 68.6,26.225 71.2,26.225 74.95,22.475 v1(78.6,22.475)
  Bottom Layer w0.3: v1(59.9,34.925) 59.95,34.975 U7.7@59.95,46.625
NetR65_1: R65.1 U7.3 | length 21.3
  Bottom Layer w0.3: U7.3@62.55,46.138 62.55,44.6 63.45,43.7 65.85,43.7 68.15,46 R65.1@68.15,58.825
NetR74_1: R74.1 U7.8 | length 20.7
  Bottom Layer w0.3: 55.85,28.05 57,28.05 59.3,30.35 59.3,34.606 59.25,34.656 59.25,35.194 59.3,35.244 U7.8@59.3,46.625
NetU1_6: U1.6 U1.7 | length 1.3
  Bottom Layer w0.5: U1.7@6.495,36.825 U1.6@7.765,36.825
NetVD3_1: VD3.1 VD5.2 | length 1.5
  Bottom Layer w0.5: VD5.2@98.564,55.719 100.014,55.719 VD3.1@100.039,55.694
NetVD4_2: VD4.2 VD6.1 | length 1.5
  Bottom Layer w0.5: VD6.1@98.564,53.419 VD4.2@100.014,53.419
NetVD9_1: VD9.1 VD11.2 | length 1.5
  Bottom Layer w0.5: VD11.2@74.475,69.05 VD9.1@75.95,69.05
NetVD10_2: VD10.2 VD12.1 | length 1.5
  Bottom Layer w0.5: VD12.1@74.45,71.425 VD10.2@75.925,71.425
OUT_A1: DD1.11 P2.1 TP10.1 | length 20.6
  Top Layer w0.5: v2(94.075,10) 99.8,10 v1(105.4,15.6)
  Bottom Layer w0.5: P2.1@94.05,4.27 P2.1@94.075,4.295 ; v2(94.075,10) TP10.1@94.1,10.025 ; DD1.11@105.394,14.396 105.397,14.4 105.397,15.597 v1(105.4,15.6)
  Bottom Layer w1: P2.1@94.075,4.295 v2(94.075,10)
OUT_A2: DD4.11 P2.3 TP21.1 | length 35
  Top Layer w0.5: v1(83.925,35.975) 88.95,30.95 v2(88.95,10)
  Bottom Layer w0.5: DD4.11@83.915,34.8 83.92,34.805 83.92,35.97 v1(83.925,35.975) ; P2.3@88.95,4.29 P2.3@88.97,4.27
  Bottom Layer w1: P2.3@88.95,4.29 v2(88.95,10)
OUT_B1: DD1.14 P2.2 TP7.1 | length 18.4
  Top Layer w0.5: v2(91.55,10) 93.825,12.275 v1(99.5,12.275)
  Bottom Layer w0.5: TP7.1@91.51,9.96 v2(91.55,10) ; TP7.1@91.55,9.965 TP7.1@91.59,10.005 ; v1(99.5,12.275) 100.75,12.275 101.584,13.109 DD1.14@101.584,14.396
  Bottom Layer w1: P2.2@91.51,4.27 TP7.1@91.51,9.96
OUT_B2: DD4.14 P2.4 TP18.1 | length 34.1
  Top Layer w0.5: v1(79.15,32.775) 85.025,26.9 85.025,11.425 v2(86.45,10)
  Bottom Layer w0.5: v1(79.15,32.775) 79.212,32.775 80.105,33.668 DD4.14@80.105,34.8 ; TP18.1@86.43,9.98 v2(86.45,10) 86.45,9.985 TP18.1@86.47,10.005 ; TP18.1@86.45,10.005 TP18.1@86.47,10.025
  Bottom Layer w1: P2.4@86.43,4.27 TP18.1@86.43,9.98
PWM_1: DD2.3 R9.2 TP4.1 U7.15 | length 51.2
  Top Layer w0.3: v1(60.6,54.5) 66.652,48.448 v2(98.636,48.448) 101.432,51.244 v1(104.402,51.244)
  Bottom Layer w0.3: U7.15@60.6,52.375 v1(60.6,54.5)
  Bottom Layer w0.5: R9.2@103.614,51.244 v1(104.402,51.244) 105.19,51.244 DD2.3@105.239,51.194
PWM_2: DD5.3 R30.2 TP15.1 U7.13 | length 32.3
  Top Layer w0.3: v1(58.175,55.6) 58.175,56.925 63.725,62.475 TP15.1@74.231,62.475 ; v2(74.123,62.475) 78.623,66.975 v1(80.375,66.975)
  Bottom Layer w0.3: v1(58.175,55.6) 59.3,54.475 U7.13@59.3,52.375
  Bottom Layer w0.5: v1(80.375,66.975) DD5.3@81.225,66.975
PWM_SET_1: DA1.1 U7.16 | length 66.9
  Top Layer w0.3: v1(61.25,48.75) 63.525,46.475 94.9,46.475 v1(114.1,27.275)
  Bottom Layer w0.3: v1(61.25,48.75) U7.16@61.25,52.375
  Bottom Layer w1: DA1.1@114.1,25.705 v1(114.1,27.275)
PWM_SET_2: DA3.1 U7.14 | length 37.4
  Top Layer w0.3: v1(59.975,50.1) 63.3,50.1 65.95,47.45 92.435,47.45 v1(92.455,47.43)
  Bottom Layer w0.3: U7.14@59.95,52.375 59.95,50.125 v1(59.975,50.1)
  Bottom Layer w1: DA3.1@92.455,45.9 v1(92.455,47.43)
SD_1: R5.1 U7.11 | length 58.1
  Top Layer w0.3: v1(23.3,14.4) 47.675,38.775 v1(47.675,39.975)
  Bottom Layer w0.3: v1@23.275,14.375 v1(23.3,14.4) ; v1(47.675,39.975) 47.675,40 58,50.325 U7.11@58,52.375
  Bottom Layer w0.5: R5.1@23.275,8.7 v1@23.275,14.375
SD_2: R26.1 U7.12 | length 48.7
  Top Layer w0.3: v1(53.75,10.65) 53.75,12.45 55.125,13.825 55.125,32.125 v1(55.15,32.15)
  Bottom Layer w0.3: v1(55.15,32.15) 55.076,32.224 55.076,46.601 58.65,50.175 U7.12@58.65,52.375
  Bottom Layer w0.5: R26.1@50.825,7.725 52.1,7.725 53.75,9.375 v1(53.75,10.65)
SD_G_1: DA2.4 P2.12 R15.2 TP52.1 | length 86.1
  Top Layer w0.5: v1(28.575,10.475) 37.875,1.175 63.015,1.175 P2.12@66.075,4.235
  Bottom Layer w0.5: v1(28.575,10.475) DA2.4@28.575,12.05 ; P2.12@66.075,4.305 P2.12@66.11,4.27 68.13,2.25 R15.2@101.45,2.25
  Bottom Layer w1: P2.12@66.075,4.305 v2(66.075,10)
SD_G_2: DA4.4 P2.13 R36.2 TP53.1 | length 33.9
  Top Layer w0.5: v1(41.675,2.65) 61.95,2.65 P2.13@63.57,4.27
  Bottom Layer w0.5: v1(41.675,2.65) 41.7,2.675 DA4.4@43.555,2.675 ; R36.2@61.85,13.025 61.85,11.725 v2(63.575,10) ; P2.13@63.57,4.27 P2.13@63.575,4.275
  Bottom Layer w1: P2.13@63.575,4.275 v2(63.575,10)
pads on no net: DD1.4 DD4.4 P2.7 U6.3 U6.14

## Polygon pours and split planes (outlines as drawn)
GND_III on Bottom Layer "NONET_L-01_P-001" (solid, remove dead copper, pour order 2): 0,0 0,49.275 35.325,49.275 35.325,75 120,75 120,0
GND_2 on Bottom Layer "NONET_L-01_P-001" (solid, pour order 0): 0.001,51.7 0,75 32.8,75 32.8,51.7
GND_III on Top Layer "NONET_L-01_P-001" (solid, remove dead copper, pour order 3): 0,0 0,49.275 35.325,49.275 35.325,75 120,75 120,0
GND_2 on Top Layer "NONET_L-01_P-001" (solid, pour order 1): 0.011,51.689 0.011,74.989 32.811,74.989 32.811,51.689

## Keep-outs
Keep-Out Layer:
  circle w0.254: c115,5.022 r1.27
  circle w0.254: c5.002,5.022 r1.27
  lines w0.254: 0,5 0,70 ; 0.002,5.022 ccw(c5.002,5.022) 5.002,0.022 115.001,0.022 ccw(c115,5.022) 120,5.022 ; 0.002,70 cw(c5.002,70) 5.002,75 114.998,75.001 ; 115,75 cw(c115,70) 120,70 120,5

## Silkscreen, mask and mechanical layers (free items; w line width, h text height)
Top Overlay:
  circle w1: c115,5.022 r2
  circle w1: c5.002,5.022 r2
  text "P1" at 76.625,7.8 h0.8 r90
  text "N1" at 74.225,7.65 h0.8 r90
  text "+5" at 56.275,7.525 h0.8 r90
  text "N2" at 69,7.45 h0.8 r90
  text "P2" at 71.55,7.45 h0.8 r90
  text "I2" at 81.575,7.25 h0.8 r90
  text "I1" at 84.2,7.25 h0.8 r90
  text "G_1" at 66.417,7 h0.8 r90
  text "G_2" at 63.892,6.825 h0.8 r90
  text "GND" at 58.875,6.625 h0.8 r90
  text "+24" at 61.575,6.625 h0.8 r90
  text "O_B2" at 86.767,5.8 h0.8 r90
  text "O_B1" at 91.894,5.703 h0.8 r90
  text "O_A1" at 94.519,5.703 h0.8 r90
  text "O_A2" at 89.369,5.678 h0.8 r90
Bottom Overlay:
  circle w0.254: c66.45,43.3 r0.3
  text "P1" at 75.875,7.85 h0.8 r270
  text "N1" at 73.35,7.825 h0.8 r270
  text "I2" at 81.625,7.55 h0.8
  text "+5" at 55.45,7.475 h0.8 r270
  text "I1" at 84.125,7.475 h0.8
  text "P2" at 70.825,7.45 h0.8 r270
  text "N2" at 68.25,7.4 h0.8 r270
  text "G_1" at 65.708,7.025 h0.8 r270
  text "GND" at 58.2,6.65 h0.8 r270
  text "+24" at 60.75,6.65 h0.8 r270
  text "G_2" at 63.258,6.625 h0.8 r270
  text "O_A1" at 93.708,5.95 h0.8 r270
  text "O_B1" at 91.183,5.875 h0.8 r270
  text "O_A2" at 88.608,5.65 h0.8 r270
  text "O_B2" at 86.108,5.6 h0.8 r270